# Altium PCB IMX6 DEV BOARD.PcbDoc (part 2 of 12)
Units mm, origin at the board's own origin, x right, y up, seen from the top; angles counter-clockwise.
Board outline 72.05 x 100.23 mm, 8 copper layers (Top Layer, GND 1, Inner 2, PWR 1, PWR 2, Inner 5, GND2, Bottom Layer), stack 1.463 mm thick; 691 components, 568 nets, 3028 pads, 1624 vias.
Unrouted connection lines stored in the file: 1.
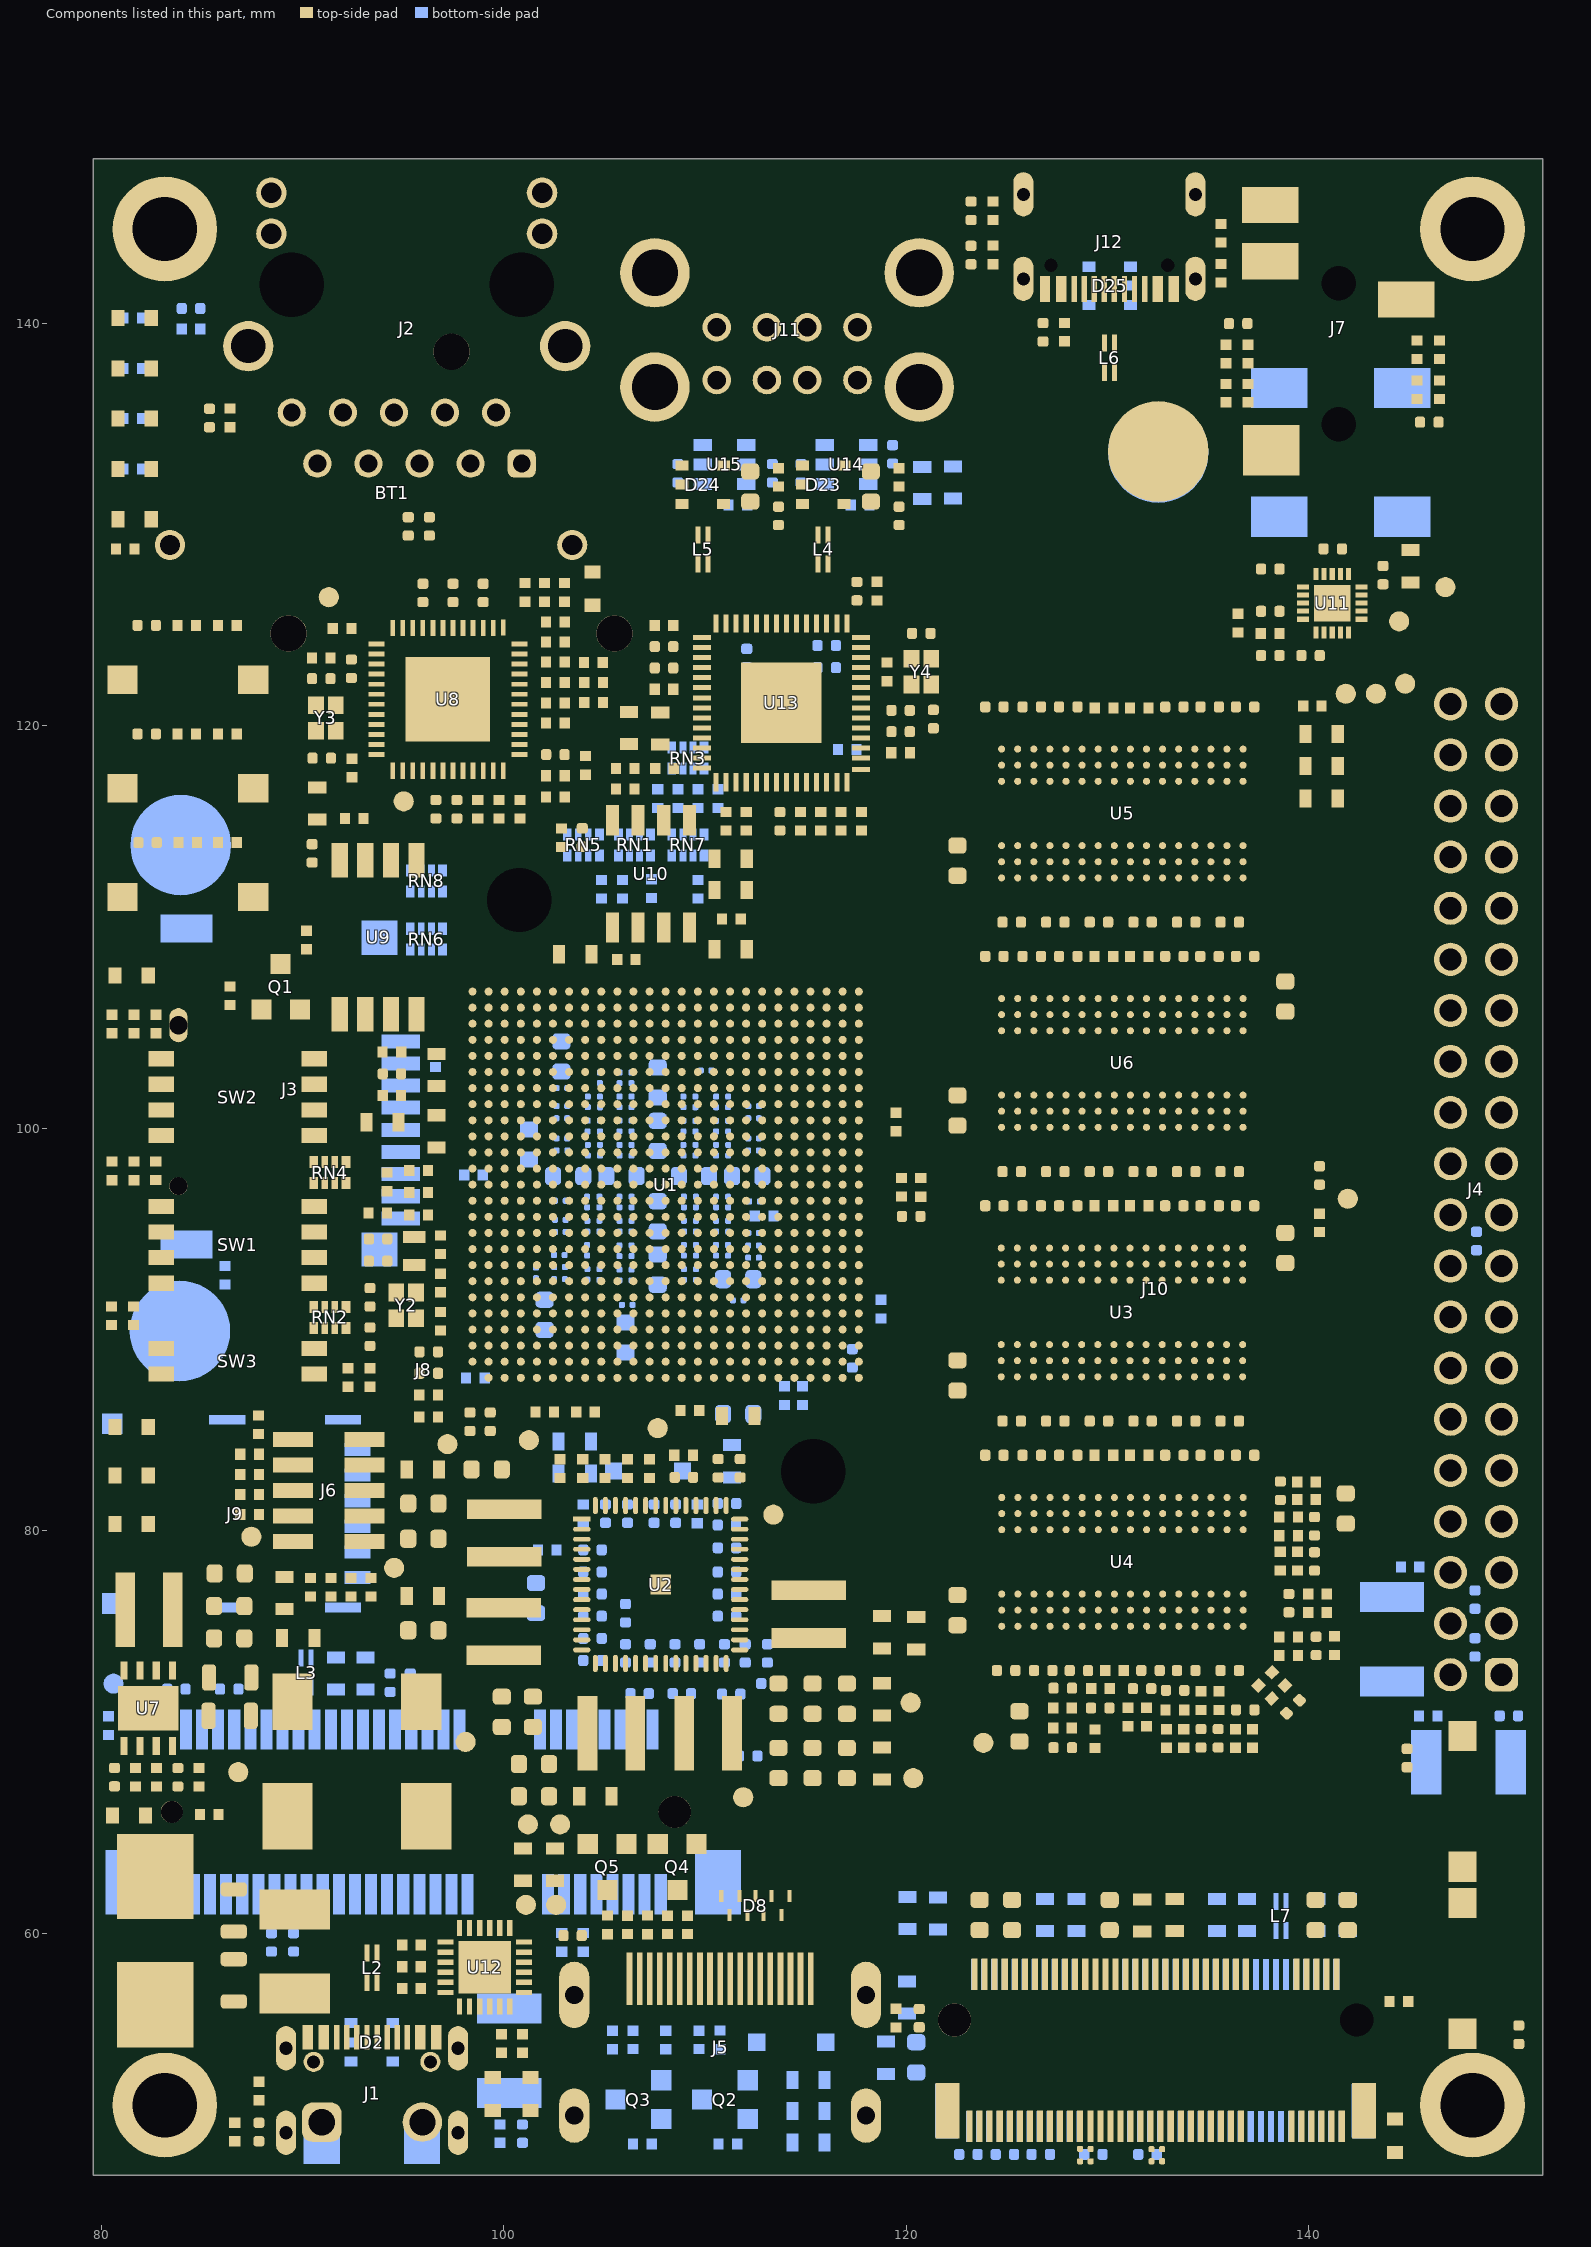
[diagram p8: the components of this part, seen from the top]

## Components (designator, comment, footprint, x,y, rotation, side; value= is the part's Value field where it differs from the comment) (continued)
R45 "49R9" "Res 0402/1005" 140.459,76.85 r180 top locked
R46 "49R9" "Res 0402/1005" 139.912,82.425 r180 top locked
R47 "49R9" "Res 0402/1005" 138.994,80.683 r0 top locked
R48 "49R9" "Res 0402/1005" 129.669,72.15 r180 top locked
R49 "49R9" "Res 0402/1005" 139.912,81.55 r180 top locked
R50 "49R9" "Res 0402/1005" 138.498,72.643 r315 top locked
R51 "49R9" "Res 0402/1005" 139.445,78.475 r90 top locked
R52 "49R9" "Res 0402/1005" 131.025,70.725 r90 top locked
R53 "49R9" "Res 0402/1005" 138.594,78.475 r90 top locked
R54 "49R9" "Res 0402/1005" 135.538,71.569 r270 top locked
R55 "49R9" "Res 0402/1005" 131.95,70.725 r90 top locked
R56 "49R9" "Res 0402/1005" 136.362,69.657 r90 top locked
R57 "49R9" "Res 0402/1005" 134.663,71.569 r270 top locked
R58 "49R9" "Res 0402/1005" 133.797,69.657 r90 top locked
R59 "49R9" "Res 0402/1005" 120.725,97.075 r270 top locked
R60 "49R9" "Res 0402/1005" 129.394,69.65 r90 top locked
R61 "49R9" "Res 0402/1005" 127.759,70.201 r0 top locked
R62 "49R9" "Res 0402/1005" 133.343,71.094 r0 top locked
R63 "49R9" "Res 0402/1005" 132.942,69.657 r90 top locked
R64 "49R9" "Res 0402/1005" 119.769,97.081 r270 top locked
R65 "49R9" "Res 0402/1005" 130.369,73.05 r180 top locked
R66 "49R9" "Res 0402/1005" 127.759,71.188 r0 top locked
R67 "10m" "Res 0603/1603" 89.1,76.9 r270 top locked
R68 "1.6k" "Res 0402/1005" 85.35,65.9 r0 top
R69 "100k" "Res 0402/1005" 82.743,67.759 r270 top
R70 "10m" "Res 0603/1603" 120.075,61 r90 bottom
R71 "100k" "Res 0402/1005" 81.703,67.732 r90 top
R72 "31.6k" "Res 0402/1005" 84.85,67.732 r90 top
R73 "10m" "Res 0603/1603" 133.35,60.9 r90 top
R74 "200" "Res 0402/1005" 86.625,50.125 r270 top
R75 "10m" "Res 0603/1603" 122.325,132.1 r90 bottom locked
R76 "10m" "Res 0603/1603" 120.05,56.8 r270 bottom locked
R77 "4.7k" "Res 0402/1005" 104.475,122.165 r180 top
R78 "1.6k" "Res 0402/1005" 104.475,121.159 r180 top
R79 "1.6k" "Res 0402/1005" 102.549,121.15 r0 top
R80 "10k" "Res 0402/1005" 102.549,122.156 r0 top
R81 "240" "Res 0402/1005" 101.05,126.65 r270 top
R82 "240" "Res 0402/1005" 103.025,126.65 r270 top
R83 "200" "Res 0402/1005" 86.4,135.3 r90 top
R84 "240" "Res 0402/1005" 102.549,125.175 r0 top
R85 "2.49k" "Res 0402/1005" 98.706,115.876 r270 top
R86 "0" "Res 0402/1005" 102.575,120.149 r180 top locked
R87 "0" "Res 0402/1005" 104.44,123.16 r0 top
R88 "2.49k" "Res 0402/1005" 92.45,117.9 r90 top
R89 "1k" "Res 0402/1005" 104.05,118.025 r90 top
R90 "2.49k" "Res 0402/1005" 100.8,115.85 r90 top
R91 "10k" "Res 0402/1005" 91.95,124.85 r0 top
R92 "2.49k" "Res 0402/1005" 99.757,115.85 r90 top
R93 "2.49k" "Res 0402/1005" 102.575,117.525 r180 top
R94 "1k" "Res 0402/1005" 90.938,123.375 r180 top
R95 "2.49k" "Res 0402/1005" 102.025,126.65 r270 top
R96 "2.49k" "Res 0402/1005" 102.575,124.178 r180 top
R97 "2.49k" "Res 0402/1005" 102.575,123.171 r180 top
R98 "10k" "Res 0402/1005" 92.575,115.4 r180 top
R99 "DNP" "Res 0402/1005" 106.05,116.875 r180 top
R100 "DNP" "Res 0402/1005" 90.2,109.35 r90 top
R101 "10k" "Res 0402/1005" 106.05,117.875 r180 top
R102 "10k" "Res 0402/1005" 94.45,103.8 r180 top
R103 "10k" "Res 0402/1005" 96.6,102.6 r270 bottom locked
R104 "10k" "Res 0402/1005" 93.75,95.8 r180 top
R105 "10k" "Res 0402/1005" 109.262,85.967 r180 top
R106 "1k" "Res 0402/1005" 86.4,106.6 r270 top
R107 "0" "Res 0603/1603" 111.65,85.7 r180 top
R108 "0" "Res 0603/1603" 135.45,60.9 r90 bottom
R109 "0" "Res 0603/1603" 136.95,60.9 r270 bottom
R110 "DNP" "Res 0603/1603" 115.15,51.15 r180 bottom
R111 "100k" "Res 0402/1005" 111.15,49.525 r180 bottom
R112 "100k" "Res 0402/1005" 106.9,49.525 r180 bottom
R113 "31.6k" "Res 0402/1005" 110.75,54.68 r90 bottom
R114 "0" "Res 0402/1005" 108.05,54.675 r90 bottom locked
R115 "0" "Res 0603/1603" 115.15,52.7 r180 bottom
R116 "1.6k" "Res 0402/1005" 104.05,85.9 r0 top locked
R117 "0" "Res 0603/1603" 115.15,49.6 r0 bottom
R118 "200" "Res 0402/1005" 119.5,55.762 r90 top
R119 "10k" "Res 0402/1005" 105.4,54.675 r90 bottom
R120 "4.7k" "Res 0402/1005" 107.135,60.42 r270 top locked
R121 "4.7k" "Res 0402/1005" 105.15,60.42 r270 top locked
R122 "10k" "Res 0402/1005" 93.4,77.2 r270 top
R123 "10k" "Res 0402/1005" 92.4,77.2 r270 top
R124 "10k" "Res 0402/1005" 91.4,77.2 r270 top
R125 "10k" "Res 0402/1005" 90.4,77.2 r270 top
R126 "1k" "Res 0402/1005" 102.05,85.9 r180 top
R127 "49R9" "Res 0402/1005" 135.9,138.5 r270 top locked
R128 "49R9" "Res 0402/1005" 145.4,136.7 r90 top locked
R129 "1k" "Res 0402/1005" 138.1,124.6 r180 top
R130 "1k" "Res 0402/1005" 136.5,125.1 r90 top
R131 "10k" "Res 0402/1005" 137,138.5 r270 top locked
R132 "10k" "Res 0402/1005" 146.5,136.7 r90 top locked
R133 "49R9" "Res 0402/1005" 103.95,59.524 r90 bottom
R134 "49R9" "Res 0402/1005" 102.879,59.524 r90 bottom
R135 "0" "Res 0402/1005" 96.275,85.65 r180 top
R136 "0" "Res 0402/1005" 96.275,86.75 r180 top
R137 "200" "Res 0402/1005" 98.6,87.6 r180 bottom
R138 "1k" "Res 0402/1005" 87.376,80.8 r180 top
R139 "1k" "Res 0402/1005" 87.376,81.8 r180 top
R140 "1k" "Res 0402/1005" 87.376,82.8 r180 top
R141 "1k" "Res 0402/1005" 144.5,56.6 r180 top
R142 "191" "Res 0402/1005" 98.481,97.689 r0 bottom
R143 "1.6k" "Res 0402/1005" 99.875,54.5 r90 top
R144 "1.6k" "Res 0402/1005" 100.925,54.5 r90 top
R145 "4.7k" "Res 0402/1005" 95.425,57.25 r180 top
R146 "4.7k" "Res 0402/1005" 95.425,58.327 r180 top
R147 "DNP" "Res 0402/1005" 111.3,110.4 r0 top
R148 "DNP" "Res 0402/1005" 117.725,130.975 r180 bottom locked
R149 "200" "Res 0402/1005" 124.325,143.425 r270 top
R150 "DNP" "Res 0402/1005" 111.65,130.975 r180 bottom locked
R151 "1k" "Res 0402/1005" 114.741,115.25 r90 top
R152 "1k" "Res 0402/1005" 115.752,115.25 r90 top
R153 "1k" "Res 0402/1005" 116.764,115.25 r90 top
R154 "1k" "Res 0402/1005" 117.775,115.25 r90 top
R155 "1k" "Res 0402/1005" 107.976,121.825 r180 top
R156 "DNP" "Res 0402/1005" 112.05,115.276 r270 top
R157 "200" "Res 0402/1005" 124.325,145.594 r90 top
R158 "2M2" "Res 0402/1005" 119.05,122.7 r270 top
R159 "12k" "Res 0402/1005" 118.55,126.713 r270 top
R160 "100k" "Res 0402/1005" 111.05,115.25 r90 top
R161 "100k" "Res 0402/1005" 107.975,117.875 r0 top
R162 "100k" "Res 0402/1005" 107.95,125 r0 top
R163 "100k" "Res 0402/1005" 119.736,118.669 r180 top
R164 "10k" "Res 0402/1005" 86.25,114.2 r0 top
R165 "10k" "Res 0402/1005" 86.25,119.6 r0 top
R166 "10k" "Res 0402/1005" 86.25,125 r0 top
R167 "10k" "Res 0402/1005" 84.3,114.2 r180 top
R168 "10k" "Res 0402/1005" 84.25,119.6 r180 top
R169 "10k" "Res 0402/1005" 84.25,125 r180 top
R170 "1k" "Res 0402/1005" 81.575,140.275 r180 bottom
R171 "1k" "Res 0402/1005" 81.575,137.775 r180 bottom
R172 "1k" "Res 0402/1005" 81.575,135.275 r180 bottom
R173 "1k" "Res 0402/1005" 81.575,132.775 r180 bottom
R174 "49R9" "Res 0402/1005" 81.2,128.8 r180 top
R175 "49R9" "Res 0402/1005" 114.85,86.7 r90 bottom
R176 "49R9" "Res 0402/1005" 113.95,86.7 r90 bottom
R177 "0" "Res 0603/1603" 140.4,60.9 r90 bottom
R178 "0" "Res 0603/1603" 141.95,60.9 r90 bottom
R179 "4.7k" "Res 0402/1005" 87.35,83.8 r0 top
R180 "4.7k" "Res 0402/1005" 87.8,85.275 r270 top
R181 "4.7k" "Res 0402/1005" 95.75,96.8 r0 top
R182 "DNP" "Res 0402/1005" 95.75,97.9 r0 top
R183 "DNP" "Res 0402/1005" 107.65,116.4 r270 bottom
R184 "DNP" "Res 0402/1005" 105.9,111.9 r270 bottom
R185 "DNP" "Res 0402/1005" 109.65,116.4 r270 bottom
R186 "DNP" "Res 0402/1005" 104.85,111.9 r270 bottom
R187 "DNP" "Res 0402/1005" 109.65,111.9 r270 bottom
R188 "DNP" "Res 0402/1005" 108.65,116.4 r270 bottom
R189 "DNP" "Res 0402/1005" 110.65,116.4 r270 bottom
R190 "DNP" "Res 0402/1005" 107.35,111.9 r90 bottom
R191 "DNP" "Res 0402/1005" 92.25,87.6 r90 top
R192 "DNP" "Res 0402/1005" 93.35,87.6 r90 top
R193 "DNP" "Res 0402/1005" 95.75,95.7 r0 top
R194 "4.7k" "Res 0402/1005" 94.191,97.325 r90 top
R195 "10m" "Res 0603/1603" 93.975,100.3 r180 top
R196 "10m" "Res 0603/1603" 140.65,119.6 r180 top
R197 "10m" "Res 0603/1603" 95.975,83.05 r180 top locked
R198 "10m" "Res 0603/1603" 107.775,119.875 r90 top
R199 "10m" "Res 0603/1603" 90.725,116.15 r90 top
R200 "10m" "Res 0603/1603" 95.975,76.75 r180 top
R201 "10k" "Res 0402/1005" 80.35,70.3 r90 bottom
R202 "10m" "Res 0603/1603" 103.55,108.65 r0 top
R203 "10m" "Res 0603/1603" 111.275,108.9 r180 top
R204 "10m" "Res 0603/1603" 118.8,74.95 r90 top
R205 "10m" "Res 0603/1603" 118.791,71.618 r270 top
R206 "10m" "Res 0603/1603" 111.35,83.45 r90 bottom
R207 "10m" "Res 0603/1603" 104.55,66.8 r0 top
R208 "DNP" "Res 0402/1005" 102.551,116.463 r0 top
R209 "1k" "Res 0402/1005" 81.603,90.7 r270 top
R210 "1k" "Res 0402/1005" 82.7,97.9 r270 top
R211 "1k" "Res 0402/1005" 80.507,90.7 r270 top
R212 "1k" "Res 0402/1005" 80.516,97.874 r90 top
R213 "1k" "Res 0402/1005" 81.612,97.874 r90 top
R214 "1k" "Res 0402/1005" 80.516,105.171 r90 top
R215 "1k" "Res 0402/1005" 81.612,105.171 r90 top
R216 "1k" "Res 0402/1005" 82.708,105.171 r90 top
R217 "10m" "Res 0603/1603" 145.071,127.936 r270 top
RN1 "10k" "res net x4  EXB-28V103JX" 106.496,114.088 r90 bottom
RN2 "10k" "res net x4  EXB-28V103JX" 91.35,90.6 r90 top
RN3 "10k" "res net x4  EXB-28V103JX" 109.15,118.4 r90 bottom
RN4 "10k" "res net x4  EXB-28V103JX" 91.35,97.8 r90 top
RN5 "10k" "res net x4  EXB-28V103JX" 103.95,114.088 r90 bottom
RN6 "10k" "res net x4  EXB-28V103JX" 96.15,109.4 r90 bottom
RN7 "10k" "res net x4  EXB-28V103JX" 109.15,114.088 r90 bottom
RN8 "10k" "res net x4  EXB-28V103JX" 96.15,112.3 r90 bottom
SW1 "416131160804" "DIP SWITCH x4 1.27mm" 86.775,94.21 r90 top locked
SW2 "416131160804" "DIP SWITCH x4 1.27mm" 86.775,101.55 r90 top locked
SW3 "416131160802" "DIP switch x2 1.27mm" 86.775,88.425 r90 top
TP1 "Test Point" "testpoint 1mm" 107.65,85.1 r90 top
TP2 "Test Point" "testpoint 1mm" 102.8,65.4 r270 top
TP3 "Test Point" "testpoint 1mm" 101.2,65.4 r270 top
TP4 "Test Point" "testpoint 1mm" 86.8,68 r90 top
TP5 "Test Point" "testpoint 1mm" 87.45,79.7 r180 top
TP6 "Test Point" "testpoint 1mm" 80.6,72.4 r0 bottom
TP7 "Test Point" "testpoint 1mm" 144.5,125.2 r90 top
TP8 "Test Point" "testpoint 1mm" 141.85,121.6 r90 top
TP9 "Test Point" "testpoint 1mm" 143.35,121.6 r90 top
TP10 "Test Point" "testpoint 1mm" 144.8,122.1 r90 top
TP11 "Test Point" "testpoint 1mm" 102.6,61.4 r180 top
TP12 "Test Point" "testpoint 1mm" 101.1,61.4 r90 top
TP13 "Test Point" "testpoint 1mm" 98.1,69.5 r90 top
TP14 "Test Point" "testpoint 1mm" 97.2,84.3 r90 top
TP15 "Test Point" "testpoint 1mm" 91.3,126.4 r90 top
TP16 "Test Point" "testpoint 1mm" 94.55,78.15 r90 top
TP17 "Test Point" "testpoint 1mm" 111.9,66.75 r180 top
TP18 "Test Point" "testpoint 1mm" 95.025,116.25 r90 top
TP19 "Test Point" "testpoint 1mm" 120.225,71.45 r90 top
TP20 "Test Point" "testpoint 1mm" 120.35,67.7 r90 top
TP21 "Test Point" "testpoint 1mm" 113.4,80.8 r90 top locked
TP22 "Test Point" "testpoint 1mm" 123.838,69.455 r90 top
TP23 "Test Point" "testpoint 1mm" 141.95,96.5 r90 top
TP24 "Test Point" "testpoint 1mm" 101.25,84.5 r90 top
TP25 "Test Point" "testpoint 1mm" 146.8,126.9 r90 top
U1 "MCIMX6Q5EYM10AE" FRES-2197-01 108.044,97.2 r90 top locked
U2 "MMPF0100F0" MMPF0100 107.8,77.325 r0 top locked
U3 "MT41J256M16HA-125-E" "BGA-96 DDR3" 130.725,90.85 r90 top locked
U4 "MT41J256M16HA-125-E" "BGA-96 DDR3" 130.75,78.45 r90 top locked
U5 "MT41J256M16HA-125-E" "BGA-96 DDR3" 130.744,115.65 r90 top locked
U6 "MT41J256M16HA-125-E" "BGA-96 DDR3" 130.744,103.25 r90 top locked
U7 "ST1S40" "SON 4x4 ST1S40" 82.325,71.175 r90 top locked
U8 "DP83869" QFN48 97.225,121.326 r270 top locked
U9 "W25Q64JV" "SOIC 8 pin FLSH (longer)" 93.75,109.5 r90 top locked
U10 "24CS512" soic-8 105.41,109.9 r90 top
U11 "SGTL5000XNLA3" QFN20 141.178,126.104 r270 top
U12 "IC CP2102 24 pin" QFN24 99.05,58.3 r270 top locked
U13 "USB2524" QFN56 113.8,121.15 r270 top locked
U14 "MIC2005A-2YM6" SOt-23-6 115.95,132.035 r0 bottom locked
U15 "MIC2005A-2YM6" SOt-23-6 109.887,132.035 r0 bottom locked
Y1 "32.768kHz" IQXC-25 95.55,93.9 r90 top
Y2 "24MHz" IQXC-42 95.15,91.2 r270 top
Y3 "25MHz" IQXC-42 91.15,120.4 r90 top
Y4 "24MHz" IQXC-42 120.75,122.7 r270 top

## Footprints (in the part's own frame and the unit in brackets; to place one, negate y for a bottom-side part, rotate by r counter-clockwise, add the part's x,y. Pads: shape width x height; smd on the part's side, far side on the other; paste and mask are expansions set on the pad)
"Battery holder" [mm]
  round 1.5 hole 1: 1(-14,0) 2(6,0)
  round 1.8 hole 1.8 unplated: ""(-8.1,4.4) ""(0,-9.6) ""(8.1,4.4)
  silkscreen extent -16.4,-11.4 11.4,11.4, body extent -16.4,-11.4 11.4,11.4, height 8.5
"BGA-96 DDR3" [mm]
  round 0.35 smd paste+0 mask+0.05: A1(-3.2,6) A2(-2.4,6) A3(-1.6,6) A7(1.6,6) A8(2.4,6) A9(3.2,6) B1(-3.2,5.2) B2(-2.4,5.2) B3(-1.6,5.2) B7(1.6,5.2) B8(2.4,5.2) B9(3.2,5.2) C1(-3.2,4.4) C2(-2.4,4.4) C3(-1.6,4.4) C7(1.6,4.4) C8(2.4,4.4) C9(3.2,4.4) D1(-3.2,3.6) D2(-2.4,3.6) D3(-1.6,3.6) D7(1.6,3.6) D8(2.4,3.6) D9(3.2,3.6) E1(-3.2,2.8) E2(-2.4,2.8) E3(-1.6,2.8) E7(1.6,2.8) E8(2.4,2.8) E9(3.2,2.8) F1(-3.2,2) F2(-2.4,2) F3(-1.6,2) F7(1.6,2) F8(2.4,2) F9(3.2,2) G1(-3.2,1.2) G2(-2.4,1.2) G3(-1.6,1.2) G7(1.6,1.2) G8(2.4,1.2) G9(3.2,1.2) H1(-3.2,0.4) H2(-2.4,0.4) H3(-1.6,0.4) H7(1.6,0.4) H8(2.4,0.4) H9(3.2,0.4) J1(-3.2,-0.4) J2(-2.4,-0.4) J3(-1.6,-0.4) J7(1.6,-0.4) J8(2.4,-0.4) J9(3.2,-0.4) K1(-3.2,-1.2) K2(-2.4,-1.2) K3(-1.6,-1.2) K7(1.6,-1.2) K8(2.4,-1.2) K9(3.2,-1.2) L1(-3.2,-2) L2(-2.4,-2) L3(-1.6,-2) L7(1.6,-2) L8(2.4,-2) L9(3.2,-2) M1(-3.2,-2.8) M2(-2.4,-2.8) M3(-1.6,-2.8) M7(1.6,-2.8) M8(2.4,-2.8) M9(3.2,-2.8) N1(-3.2,-3.6) N2(-2.4,-3.6) N3(-1.6,-3.6) N7(1.6,-3.6) N8(2.4,-3.6) N9(3.2,-3.6) P1(-3.2,-4.4) P2(-2.4,-4.4) P3(-1.6,-4.4) P7(1.6,-4.4) P8(2.4,-4.4) P9(3.2,-4.4) R1(-3.2,-5.2) R2(-2.4,-5.2) R3(-1.6,-5.2) R7(1.6,-5.2) R8(2.4,-5.2) R9(3.2,-5.2) T1(-3.2,-6) T2(-2.4,-6) T3(-1.6,-6) T7(1.6,-6) T8(2.4,-6) T9(3.2,-6)
  silkscreen extent -5,-7.05 4.55,7.52, body extent -5.05,-7.55 5.05,7.55, height 0.25
"CAP CER 0201/0603" [mm]
  rrect50% 0.3x0.3 smd mask+0.04: 1(-0.003,0.005) 2(0.527,0.005)
  silkscreen extent -0.34,-0.3 0.86,0.3, body extent -0.04,-0.15 0.56,0.15, height 0.3
"Cap cer 0402/1005" [mil]
  rrect50% 20x21.65 smd mask+2.76: 1(-18,0) 2(18,0)
  silkscreen extent -34,-17 34,17, body extent -20,-10 20,10, height 19
"Cap cer 0603/4608" [mm]
  rrect50% 0.8x0.9 smd: 1(-0.75,0) 2(0.75,0)
  silkscreen extent -1.32,-0.67 1.33,0.67, body extent -0.8,-0.4 0.8,0.4, height 0.83
"Cap cer 0805/2012" [mm]
  rrect50% 0.7x1.3 smd: 1(-1,0) 2(1.1,0)
  silkscreen extent -1.55,-0.85 1.65,0.85, body extent -1,-0.61 1,0.63, height 0.63
"cap polymer wurth" [mm]
  rect 2x2.8 smd: 1(3.2,0) 2(-3.2,0)
  silkscreen extent -3.75,-2.25 4.7,2.35, body extent -3.65,-2.15 3.65,2.15, height 1.9
"diode SOD-123" [mm]
  rect 0.85x0.85 smd: A(0,0) K(3.429,0)
  silkscreen extent 0.4,-0.8 3.6,0.9, body extent -0.07,-0.8 3.63,0.8, height 1.27
"DIP switch x2 1.27mm" [mm]
  rect 0.76x1.27 smd: 1(-0.635,-3.81) 2(0.635,-3.81) 3(0.635,3.81) 4(-0.635,3.81)
  silkscreen extent -2,-2.93 2,2.93, body extent -1.85,-4.22 1.86,4.22, height 2.7
"DIP SWITCH x4 1.27mm" [mm]
  rect 0.76x1.27 smd: 1(-1.905,-3.81) 2(-0.635,-3.81) 3(0.635,-3.81) 4(1.905,-3.81) 5(1.905,3.81) 6(0.635,3.81) 7(-0.635,3.81) 8(-1.905,3.81)
  silkscreen extent -3.27,-2.93 3.27,2.93, body extent -3.12,-4.22 3.13,4.22, height 2.7
DO-214AB [mm]
  rect 2.5x3.3 smd paste+0: A(3.45,0) K(-3.45,0)
  silkscreen extent -4.43,-3.11 3.55,3.11, body extent -4.8,-3.21 4.8,3.21, height 0.25
"Ferrite SMD 1612" [mm]
  rect 2x3.5 smd: 1(-2.1,0) 2(2.075,0)
  silkscreen extent -0.8,-1.8 0.8,1.8, body extent -2.03,-1.52 2.03,1.53, height 2.28
FRES-2197-01 [mm] "BGA, 624-Balls, Body 21x21mm, Pitch 0.8mm"
  round 0.4 smd mask+0.05: A2(-8.8,9.6) A3(-8,9.6) A4(-7.2,9.6) A5(-6.4,9.6) A6(-5.6,9.6) A7(-4.8,9.6) A8(-4,9.6) A9(-3.2,9.6) A10(-2.4,9.6) A11(-1.6,9.6) A12(-0.8,9.6) A13(0,9.6) A14(0.8,9.6) A15(1.6,9.6) A16(2.4,9.6) A17(3.2,9.6) A18(4,9.6) A19(4.8,9.6) A20(5.6,9.6) A21(6.4,9.6) A22(7.2,9.6) A23(8,9.6) A24(8.8,9.6) A25(9.6,9.6) AA1(-9.6,-6.4) AA2(-8.8,-6.4) AA3(-8,-6.4) AA4(-7.2,-6.4) AA5(-6.4,-6.4) AA6(-5.6,-6.4) AA7(-4.8,-6.4) AA8(-4,-6.4) AA9(-3.2,-6.4) AA10(-2.4,-6.4) AA11(-1.6,-6.4) AA12(-0.8,-6.4) AA13(0,-6.4) AA14(0.8,-6.4) AA15(1.6,-6.4) AA16(2.4,-6.4) AA17(3.2,-6.4) AA18(4,-6.4) AA19(4.8,-6.4) AA20(5.6,-6.4) AA21(6.4,-6.4) AA22(7.2,-6.4) AA23(8,-6.4) AA24(8.8,-6.4) AA25(9.6,-6.4) AB1(-9.6,-7.2) AB2(-8.8,-7.2) AB3(-8,-7.2) AB4(-7.2,-7.2) AB5(-6.4,-7.2) AB6(-5.6,-7.2) AB7(-4.8,-7.2) AB8(-4,-7.2) AB9(-3.2,-7.2) AB10(-2.4,-7.2) AB11(-1.6,-7.2) AB12(-0.8,-7.2) AB13(0,-7.2) AB14(0.8,-7.2) AB15(1.6,-7.2) AB16(2.4,-7.2) AB17(3.2,-7.2) AB18(4,-7.2) AB19(4.8,-7.2) AB20(5.6,-7.2) AB21(6.4,-7.2) AB22(7.2,-7.2) AB23(8,-7.2) AB24(8.8,-7.2) AB25(9.6,-7.2) AC1(-9.6,-8) AC2(-8.8,-8) AC3(-8,-8) AC4(-7.2,-8) AC5(-6.4,-8) AC6(-5.6,-8) AC7(-4.8,-8) AC8(-4,-8) AC9(-3.2,-8) AC10(-2.4,-8) AC11(-1.6,-8) AC12(-0.8,-8) AC13(0,-8) AC14(0.8,-8) AC15(1.6,-8) AC16(2.4,-8) AC17(3.2,-8) AC18(4,-8) AC19(4.8,-8) AC20(5.6,-8) AC21(6.4,-8) AC22(7.2,-8) AC23(8,-8) AC24(8.8,-8) AC25(9.6,-8) AD1(-9.6,-8.8) AD2(-8.8,-8.8) AD3(-8,-8.8) AD4(-7.2,-8.8) AD5(-6.4,-8.8) AD6(-5.6,-8.8) AD7(-4.8,-8.8) AD8(-4,-8.8) AD9(-3.2,-8.8) AD10(-2.4,-8.8) AD11(-1.6,-8.8) AD12(-0.8,-8.8) AD13(0,-8.8) AD14(0.8,-8.8) AD15(1.6,-8.8) AD16(2.4,-8.8) AD17(3.2,-8.8) AD18(4,-8.8) AD19(4.8,-8.8) AD20(5.6,-8.8) AD21(6.4,-8.8) AD22(7.2,-8.8) AD23(8,-8.8) AD24(8.8,-8.8) AD25(9.6,-8.8) AE1(-9.6,-9.6) AE2(-8.8,-9.6) AE3(-8,-9.6) AE4(-7.2,-9.6) AE5(-6.4,-9.6) AE6(-5.6,-9.6) AE7(-4.8,-9.6) AE8(-4,-9.6) AE9(-3.2,-9.6) AE10(-2.4,-9.6) AE11(-1.6,-9.6) AE12(-0.8,-9.6) AE13(0,-9.6) AE14(0.8,-9.6) AE15(1.6,-9.6) AE16(2.4,-9.6) AE17(3.2,-9.6) AE18(4,-9.6) AE19(4.8,-9.6) AE20(5.6,-9.6) AE21(6.4,-9.6) AE22(7.2,-9.6) AE23(8,-9.6) AE24(8.8,-9.6) AE25(9.6,-9.6) B1(-9.6,8.8) B2(-8.8,8.8) B3(-8,8.8) B4(-7.2,8.8) B5(-6.4,8.8) B6(-5.6,8.8) B7(-4.8,8.8) B8(-4,8.8) B9(-3.2,8.8) B10(-2.4,8.8) B11(-1.6,8.8) B12(-0.8,8.8) B13(0,8.8) B14(0.8,8.8) B15(1.6,8.8) B16(2.4,8.8) B17(3.2,8.8) B18(4,8.8) B19(4.8,8.8) B20(5.6,8.8) B21(6.4,8.8) B22(7.2,8.8) B23(8,8.8) B24(8.8,8.8) B25(9.6,8.8) C1(-9.6,8) C2(-8.8,8) C3(-8,8) C4(-7.2,8) C5(-6.4,8) C6(-5.6,8) C7(-4.8,8) C8(-4,8) C9(-3.2,8) C10(-2.4,8) C11(-1.6,8) C12(-0.8,8) C13(0,8) C14(0.8,8) C15(1.6,8) C16(2.4,8) C17(3.2,8) C18(4,8) C19(4.8,8) C20(5.6,8) C21(6.4,8) C22(7.2,8) C23(8,8) C24(8.8,8) C25(9.6,8) D1(-9.6,7.2) D2(-8.8,7.2) D3(-8,7.2) D4(-7.2,7.2) D5(-6.4,7.2) D6(-5.6,7.2) D7(-4.8,7.2) D8(-4,7.2) D9(-3.2,7.2) D10(-2.4,7.2) D11(-1.6,7.2) D12(-0.8,7.2) D13(0,7.2) D14(0.8,7.2) D15(1.6,7.2) D16(2.4,7.2) D17(3.2,7.2) D18(4,7.2) D19(4.8,7.2) D20(5.6,7.2) D21(6.4,7.2) D22(7.2,7.2) D23(8,7.2) D24(8.8,7.2) D25(9.6,7.2) E1(-9.6,6.4) E2(-8.8,6.4) E3(-8,6.4) E4(-7.2,6.4) E5(-6.4,6.4) E6(-5.6,6.4) E7(-4.8,6.4) E8(-4,6.4) E9(-3.2,6.4) E10(-2.4,6.4) E11(-1.6,6.4) E12(-0.8,6.4) E13(0,6.4) E14(0.8,6.4) E15(1.6,6.4) E16(2.4,6.4) E17(3.2,6.4) E18(4,6.4) E19(4.8,6.4) E20(5.6,6.4) E21(6.4,6.4) E22(7.2,6.4) E23(8,6.4) E24(8.8,6.4) E25(9.6,6.4) F1(-9.6,5.6) F2(-8.8,5.6) F3(-8,5.6) F4(-7.2,5.6) F5(-6.4,5.6) F6(-5.6,5.6) F7(-4.8,5.6) F8(-4,5.6) F9(-3.2,5.6) F10(-2.4,5.6) F11(-1.6,5.6) F12(-0.8,5.6) F13(0,5.6) F14(0.8,5.6) F15(1.6,5.6) F16(2.4,5.6) F17(3.2,5.6) F18(4,5.6) F19(4.8,5.6) F20(5.6,5.6) F21(6.4,5.6) F22(7.2,5.6) F23(8,5.6) F24(8.8,5.6) F25(9.6,5.6) G1(-9.6,4.8) G2(-8.8,4.8) G3(-8,4.8) G4(-7.2,4.8) G5(-6.4,4.8) G6(-5.6,4.8) G7(-4.8,4.8) G8(-4,4.8) G9(-3.2,4.8) G10(-2.4,4.8) G11(-1.6,4.8) G12(-0.8,4.8) G13(0,4.8) G14(0.8,4.8) G15(1.6,4.8) G16(2.4,4.8) G17(3.2,4.8) G18(4,4.8) G19(4.8,4.8) G20(5.6,4.8) G21(6.4,4.8) G22(7.2,4.8) G23(8,4.8) G24(8.8,4.8) G25(9.6,4.8) H1(-9.6,4) H2(-8.8,4) H3(-8,4) H4(-7.2,4) H5(-6.4,4) H6(-5.6,4) H7(-4.8,4) H8(-4,4) H9(-3.2,4) H10(-2.4,4) H11(-1.6,4) H12(-0.8,4) H13(0,4) H14(0.8,4) H15(1.6,4) H16(2.4,4) H17(3.2,4) H18(4,4) H19(4.8,4) H20(5.6,4) H21(6.4,4) H22(7.2,4) H23(8,4) H24(8.8,4) H25(9.6,4) J1(-9.6,3.2) J2(-8.8,3.2) J3(-8,3.2) J4(-7.2,3.2) J5(-6.4,3.2) J6(-5.6,3.2) J7(-4.8,3.2) J8(-4,3.2) J9(-3.2,3.2) J10(-2.4,3.2) J11(-1.6,3.2) J12(-0.8,3.2) J13(0,3.2) J14(0.8,3.2) J15(1.6,3.2) J16(2.4,3.2) J17(3.2,3.2) J18(4,3.2) J19(4.8,3.2) J20(5.6,3.2) J21(6.4,3.2) J22(7.2,3.2) J23(8,3.2) J24(8.8,3.2) J25(9.6,3.2) K1(-9.6,2.4) K2(-8.8,2.4) K3(-8,2.4) K4(-7.2,2.4) K5(-6.4,2.4) K6(-5.6,2.4) K7(-4.8,2.4) K8(-4,2.4) K9(-3.2,2.4) K10(-2.4,2.4) K11(-1.6,2.4) K12(-0.8,2.4) K13(0,2.4) K14(0.8,2.4) K15(1.6,2.4) K16(2.4,2.4) K17(3.2,2.4) K18(4,2.4) K19(4.8,2.4) K20(5.6,2.4) K21(6.4,2.4) K22(7.2,2.4) K23(8,2.4) K24(8.8,2.4) K25(9.6,2.4) L1(-9.6,1.6) L2(-8.8,1.6) L3(-8,1.6) L4(-7.2,1.6) L5(-6.4,1.6) L6(-5.6,1.6) L7(-4.8,1.6) L8(-4,1.6) L9(-3.2,1.6) L10(-2.4,1.6) L11(-1.6,1.6) L12(-0.8,1.6) L13(0,1.6) L14(0.8,1.6) L15(1.6,1.6) L16(2.4,1.6) L17(3.2,1.6) L18(4,1.6) L19(4.8,1.6) L20(5.6,1.6) L21(6.4,1.6) L22(7.2,1.6) L23(8,1.6) L24(8.8,1.6) L25(9.6,1.6) M1(-9.6,0.8) M2(-8.8,0.8) M3(-8,0.8) M4(-7.2,0.8) M5(-6.4,0.8) M6(-5.6,0.8) M7(-4.8,0.8) M8(-4,0.8) M9(-3.2,0.8) M10(-2.4,0.8) M11(-1.6,0.8) M12(-0.8,0.8) M13(0,0.8) M14(0.8,0.8) M15(1.6,0.8) M16(2.4,0.8) M17(3.2,0.8) M18(4,0.8) M19(4.8,0.8) M20(5.6,0.8) M21(6.4,0.8) M22(7.2,0.8) M23(8,0.8) M24(8.8,0.8) M25(9.6,0.8) N1(-9.6,0) N2(-8.8,0) N3(-8,0) N4(-7.2,0) N5(-6.4,0) N6(-5.6,0) N7(-4.8,0) N8(-4,0) N9(-3.2,0) N10(-2.4,0) N11(-1.6,0) N12(-0.8,0) N13(0,0) N14(0.8,0) N15(1.6,0) N16(2.4,0) N17(3.2,0) N18(4,0) N19(4.8,0) N20(5.6,0) N21(6.4,0) N22(7.2,0) N23(8,0) N24(8.8,0) N25(9.6,0) P1(-9.6,-0.8) P2(-8.8,-0.8) P3(-8,-0.8) P4(-7.2,-0.8) P5(-6.4,-0.8) P6(-5.6,-0.8) P7(-4.8,-0.8) P8(-4,-0.8) P9(-3.2,-0.8) P10(-2.4,-0.8) P11(-1.6,-0.8) P12(-0.8,-0.8) P13(0,-0.8) P14(0.8,-0.8) P15(1.6,-0.8) P16(2.4,-0.8) P17(3.2,-0.8) P18(4,-0.8) P19(4.8,-0.8) P20(5.6,-0.8) P21(6.4,-0.8) P22(7.2,-0.8) P23(8,-0.8) P24(8.8,-0.8) P25(9.6,-0.8) R1(-9.6,-1.6) R2(-8.8,-1.6) R3(-8,-1.6) R4(-7.2,-1.6) R5(-6.4,-1.6) R6(-5.6,-1.6) R7(-4.8,-1.6) R8(-4,-1.6) R9(-3.2,-1.6) R10(-2.4,-1.6) R11(-1.6,-1.6) R12(-0.8,-1.6) R13(0,-1.6) R14(0.8,-1.6) R15(1.6,-1.6) R16(2.4,-1.6) R17(3.2,-1.6) R18(4,-1.6) R19(4.8,-1.6) R20(5.6,-1.6) R21(6.4,-1.6) R22(7.2,-1.6) R23(8,-1.6) R24(8.8,-1.6) R25(9.6,-1.6) T1(-9.6,-2.4) T2(-8.8,-2.4) T3(-8,-2.4) T4(-7.2,-2.4) T5(-6.4,-2.4) T6(-5.6,-2.4) T7(-4.8,-2.4) T8(-4,-2.4) T9(-3.2,-2.4) T10(-2.4,-2.4) T11(-1.6,-2.4) T12(-0.8,-2.4) T13(0,-2.4) T14(0.8,-2.4) T15(1.6,-2.4) T16(2.4,-2.4) T17(3.2,-2.4) T18(4,-2.4) T19(4.8,-2.4) T20(5.6,-2.4) T21(6.4,-2.4) T22(7.2,-2.4) T23(8,-2.4) T24(8.8,-2.4) T25(9.6,-2.4) U1(-9.6,-3.2) U2(-8.8,-3.2) U3(-8,-3.2) U4(-7.2,-3.2) U5(-6.4,-3.2) U6(-5.6,-3.2) U7(-4.8,-3.2) U8(-4,-3.2) U9(-3.2,-3.2) U10(-2.4,-3.2) U11(-1.6,-3.2) U12(-0.8,-3.2) U13(0,-3.2) U14(0.8,-3.2) U15(1.6,-3.2) U16(2.4,-3.2) U17(3.2,-3.2) U18(4,-3.2) U19(4.8,-3.2) U20(5.6,-3.2) U21(6.4,-3.2) U22(7.2,-3.2) U23(8,-3.2) U24(8.8,-3.2) U25(9.6,-3.2) V1(-9.6,-4) V2(-8.8,-4) V3(-8,-4) V4(-7.2,-4) V5(-6.4,-4) V6(-5.6,-4) V7(-4.8,-4) V8(-4,-4) V9(-3.2,-4) V10(-2.4,-4) V11(-1.6,-4) V12(-0.8,-4) V13(0,-4) V14(0.8,-4) V15(1.6,-4) V16(2.4,-4) V17(3.2,-4) V18(4,-4) V19(4.8,-4) V20(5.6,-4) V21(6.4,-4) V22(7.2,-4) V23(8,-4) V24(8.8,-4) V25(9.6,-4) W1(-9.6,-4.8) W2(-8.8,-4.8) W3(-8,-4.8) W4(-7.2,-4.8) W5(-6.4,-4.8) W6(-5.6,-4.8) W7(-4.8,-4.8) W8(-4,-4.8) W9(-3.2,-4.8) W10(-2.4,-4.8) W11(-1.6,-4.8) W12(-0.8,-4.8) W13(0,-4.8) W14(0.8,-4.8) W15(1.6,-4.8) W16(2.4,-4.8) W17(3.2,-4.8) W18(4,-4.8) W19(4.8,-4.8) W20(5.6,-4.8) W21(6.4,-4.8) W22(7.2,-4.8) W23(8,-4.8) W24(8.8,-4.8) W25(9.6,-4.8) Y1(-9.6,-5.6) Y2(-8.8,-5.6) Y3(-8,-5.6) Y4(-7.2,-5.6) Y5(-6.4,-5.6) Y6(-5.6,-5.6) Y7(-4.8,-5.6) Y8(-4,-5.6) Y9(-3.2,-5.6) Y10(-2.4,-5.6) Y11(-1.6,-5.6) Y12(-0.8,-5.6) Y13(0,-5.6) Y14(0.8,-5.6) Y15(1.6,-5.6) Y16(2.4,-5.6) Y17(3.2,-5.6) Y18(4,-5.6) Y19(4.8,-5.6) Y20(5.6,-5.6) Y21(6.4,-5.6) Y22(7.2,-5.6) Y23(8,-5.6) Y24(8.8,-5.6) Y25(9.6,-5.6)